# Altium PCB RockerBox_Rev04.PcbDoc (part 1 of 9)
Units mil, origin at the board's own origin, x right, y up, seen from the top; angles counter-clockwise.
Board outline 5354.33 x 8818.9 mil, 4 copper layers (L1, L2, L3, L4), stack 62.087 mil thick; 582 components, 159 nets, 3630 pads, 4701 vias.
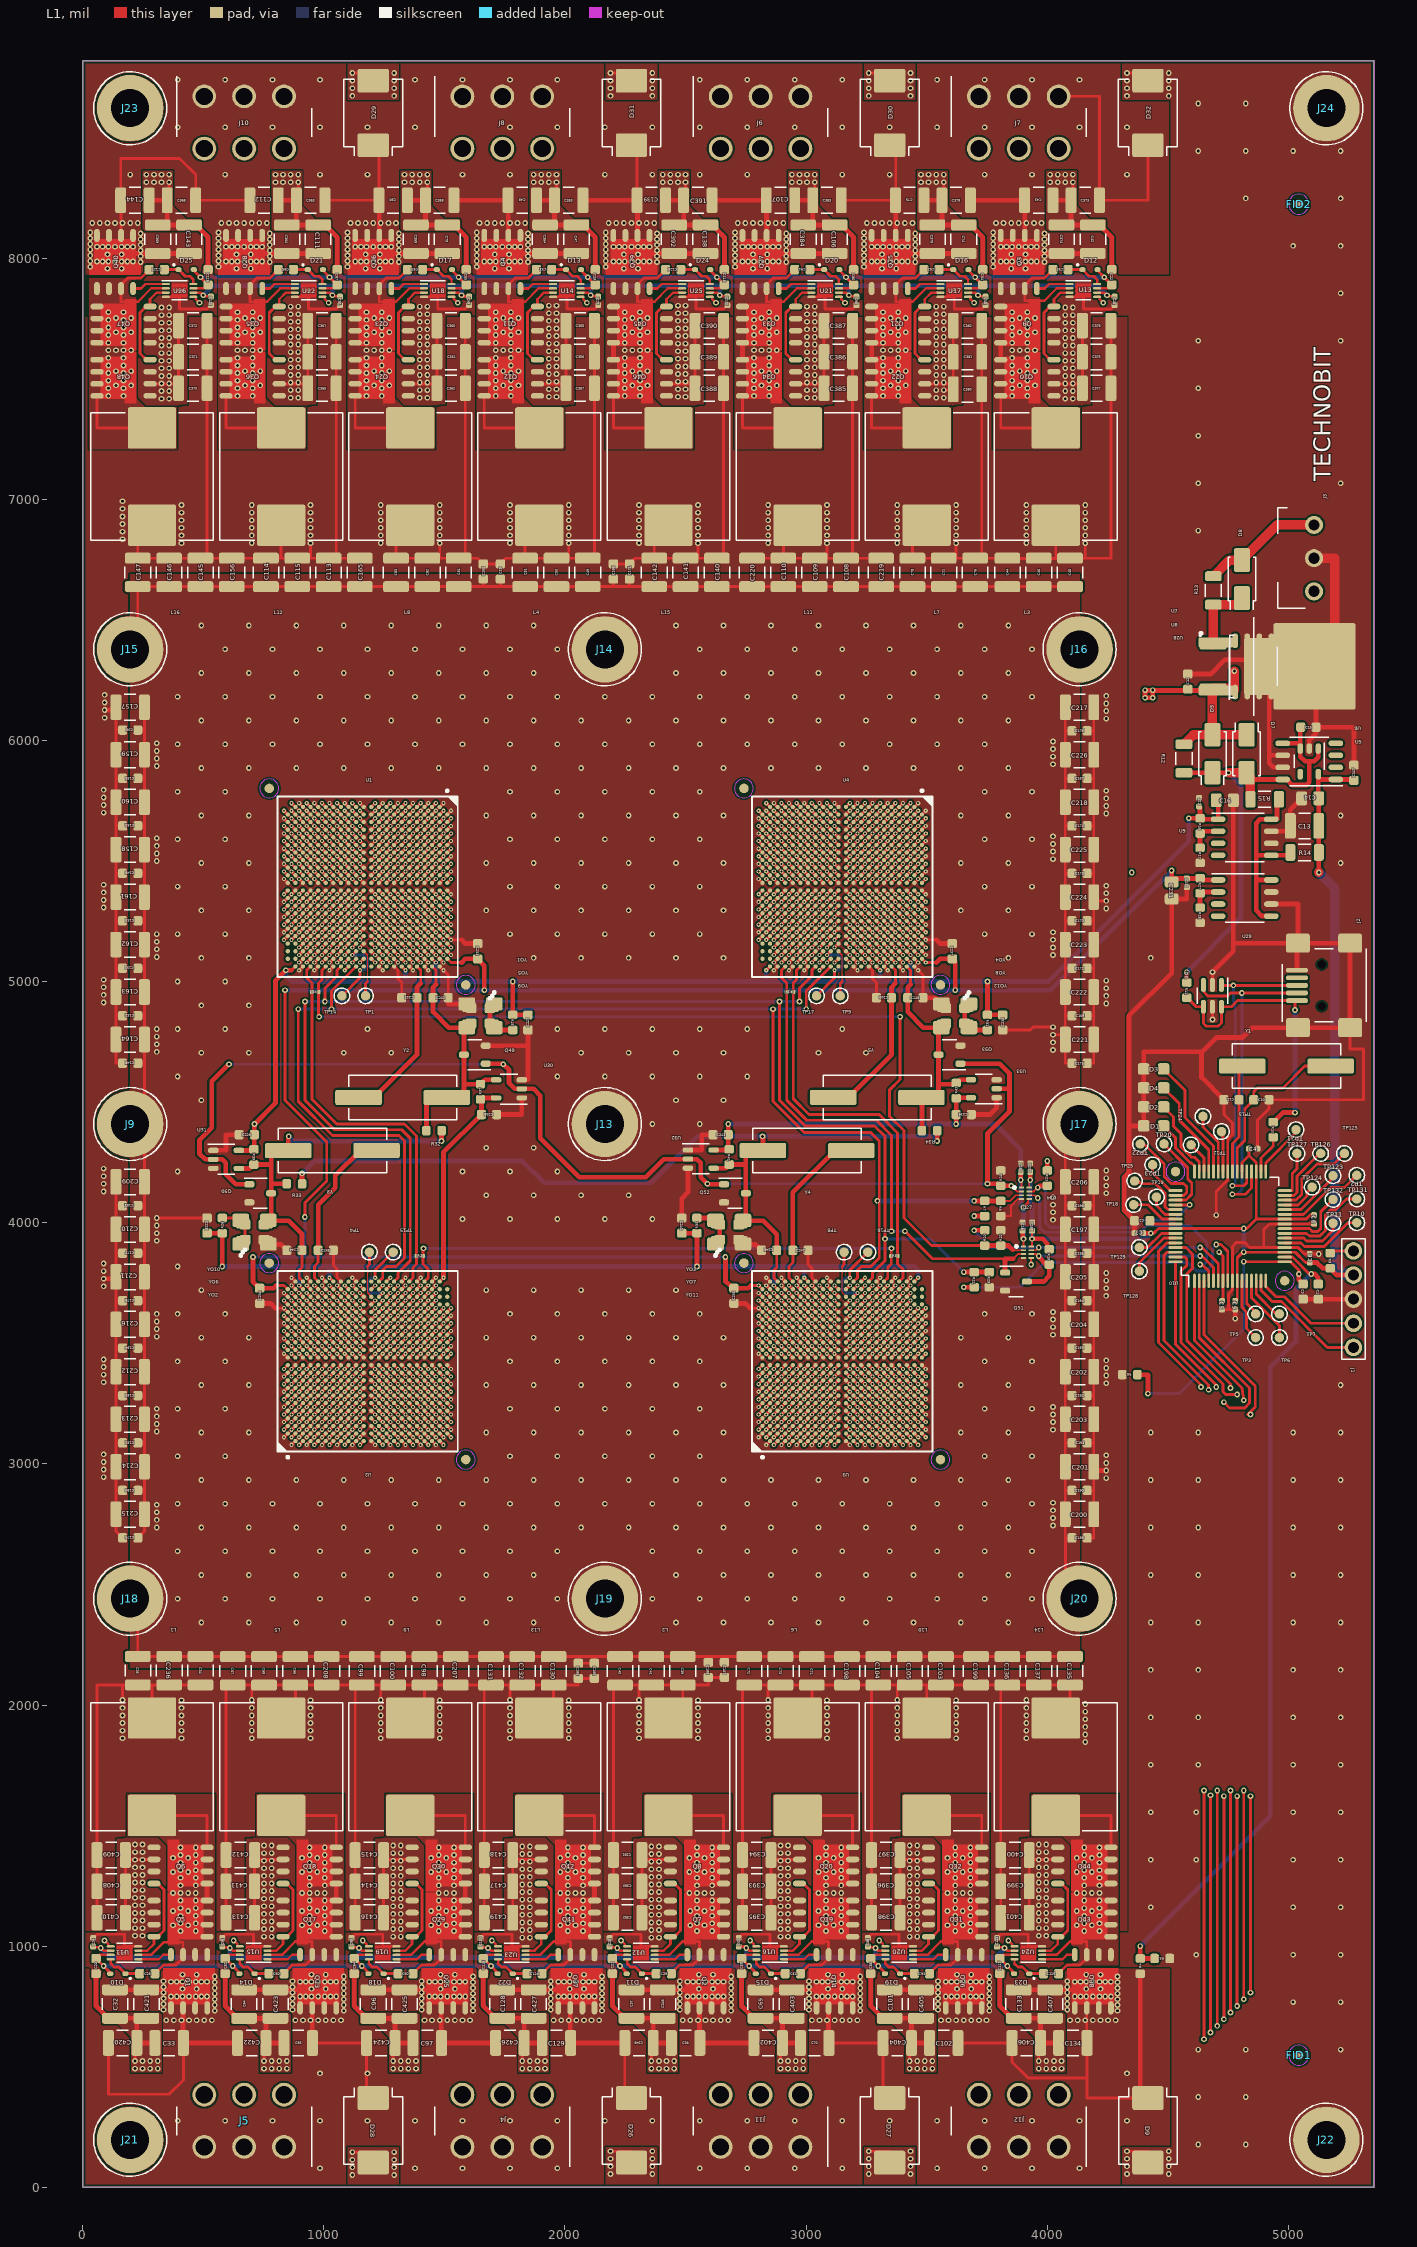
[diagram p0: L1 view]
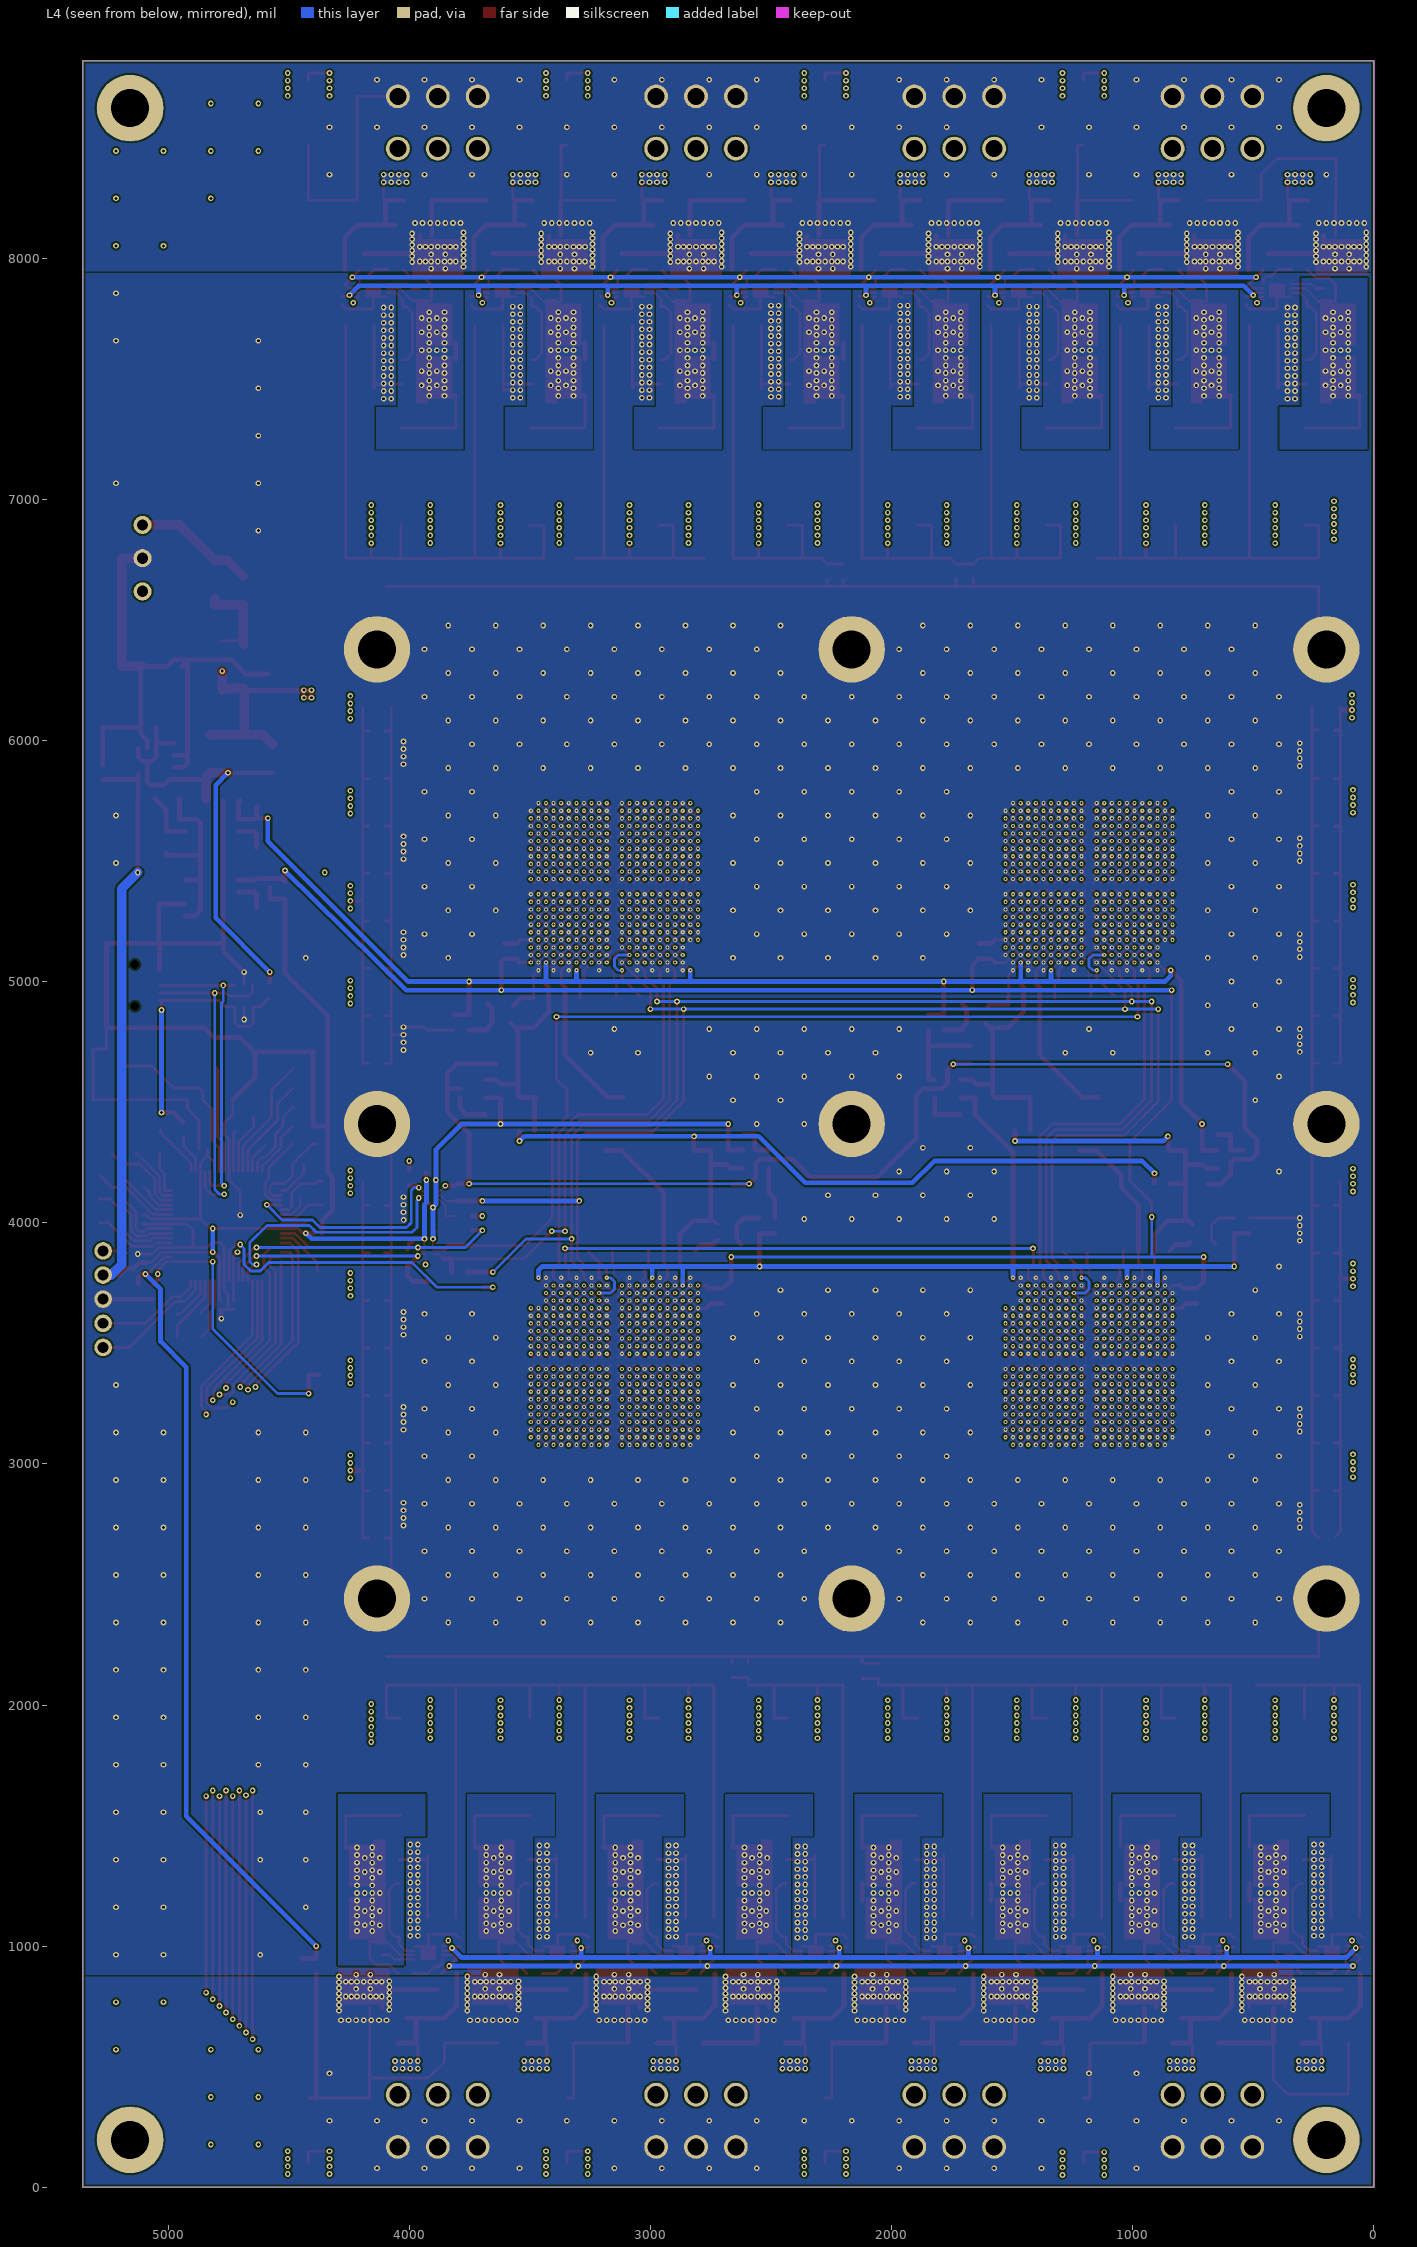
[diagram p1: L4 view, seen from below]
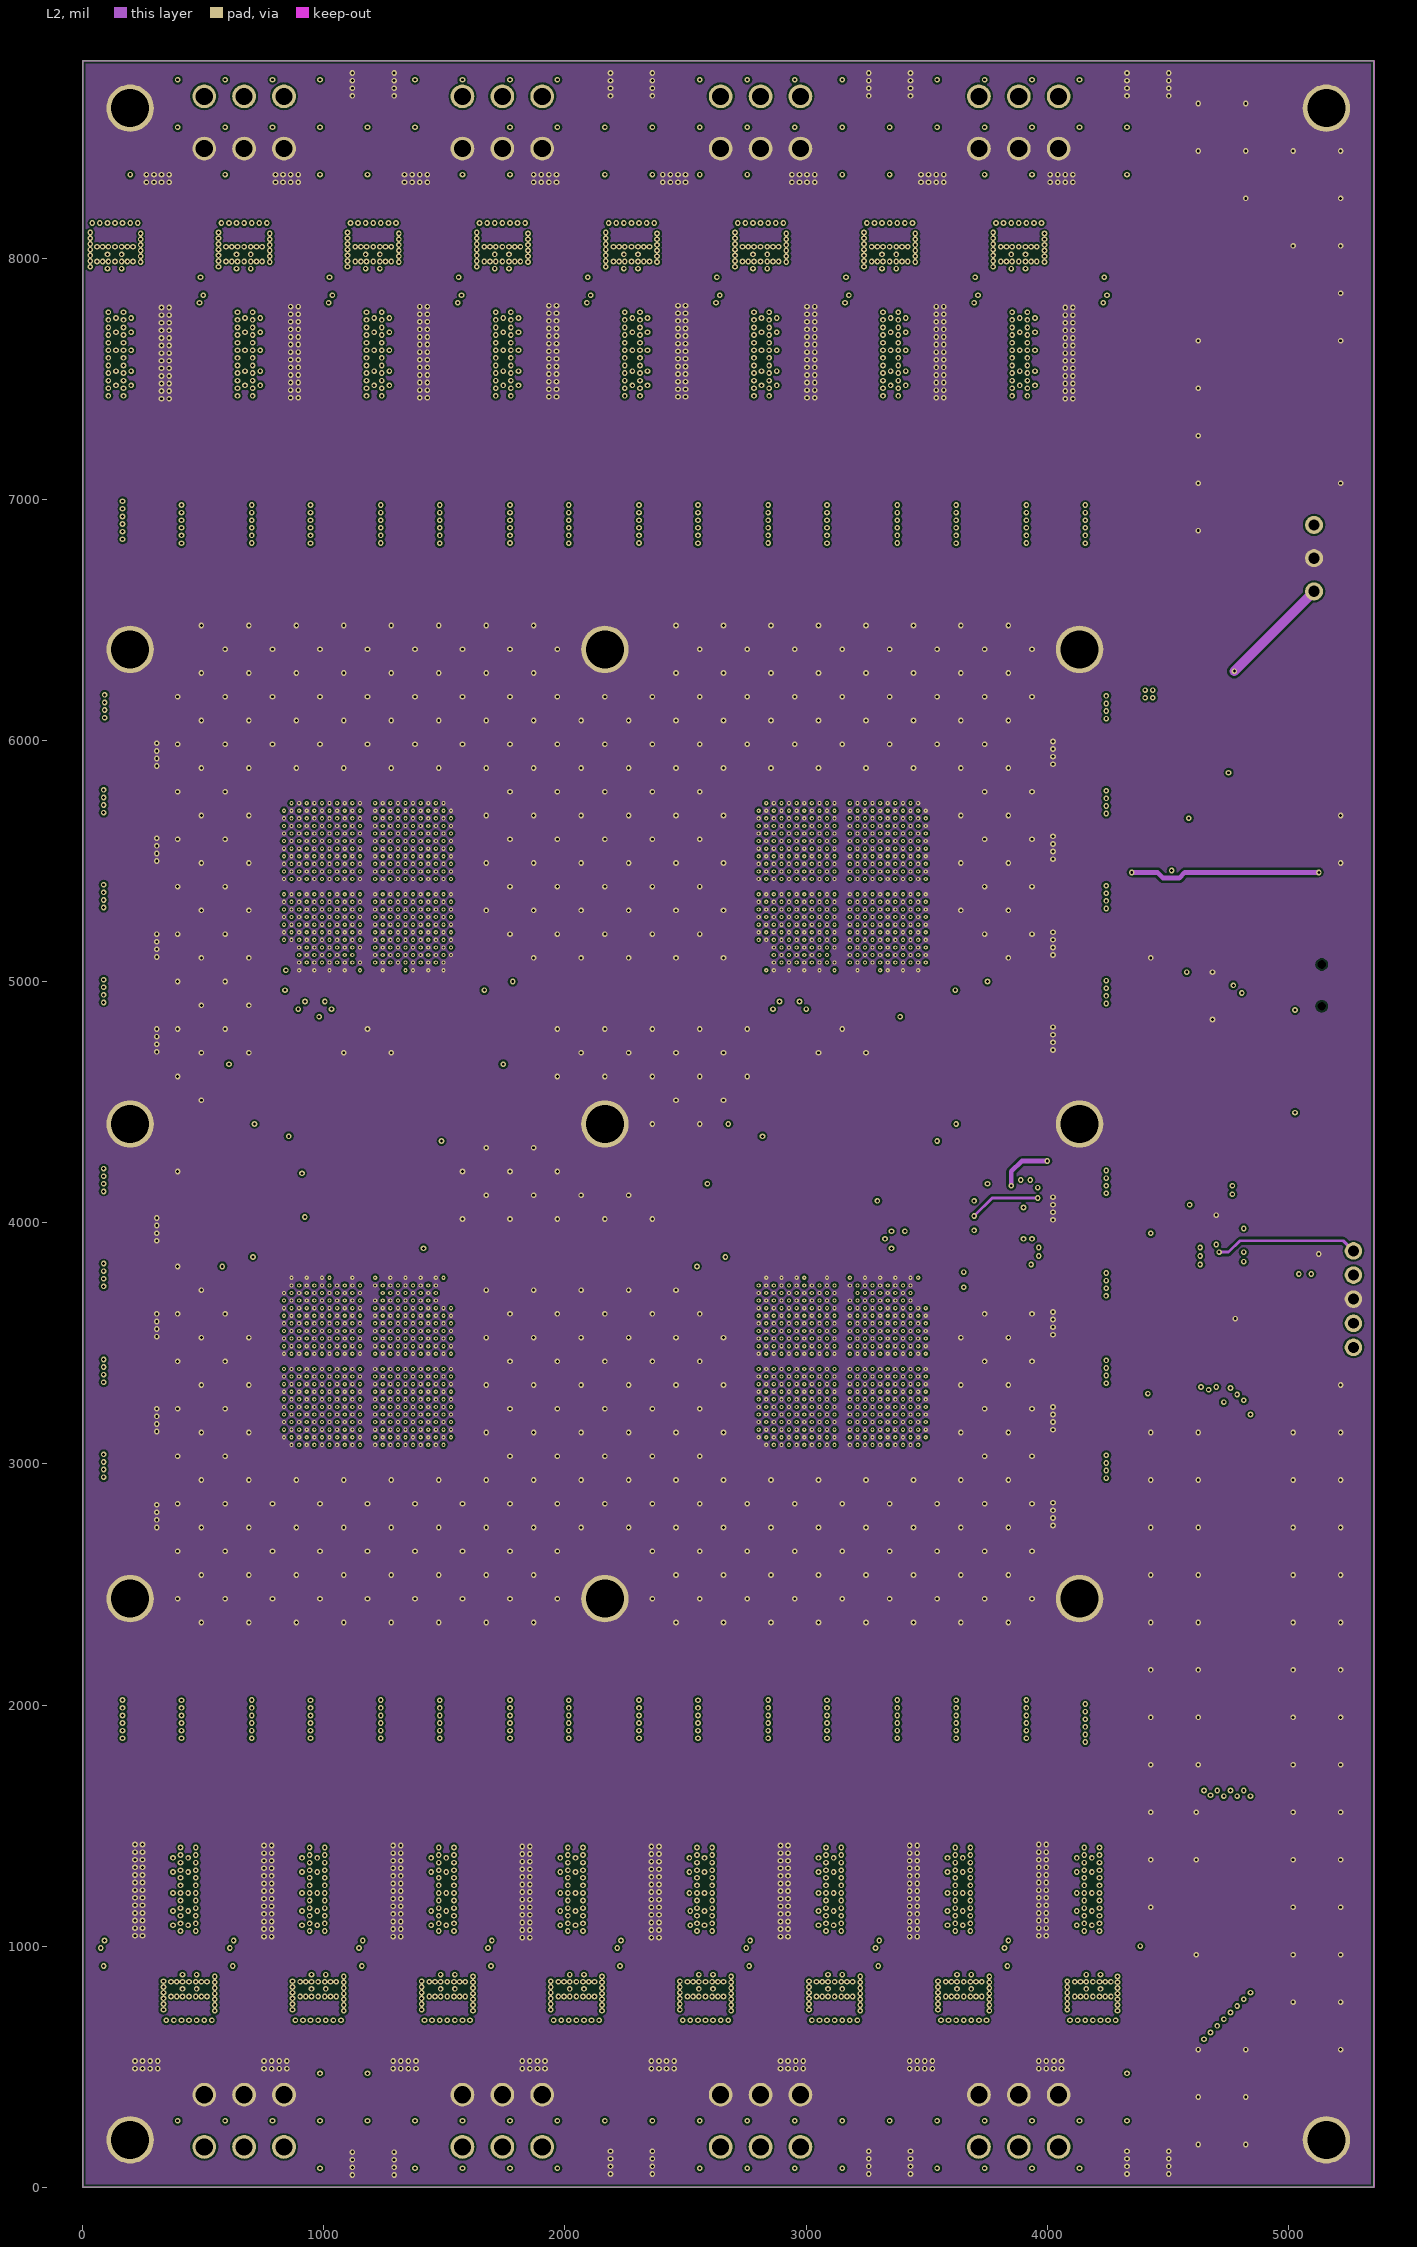
[diagram p2: L2]
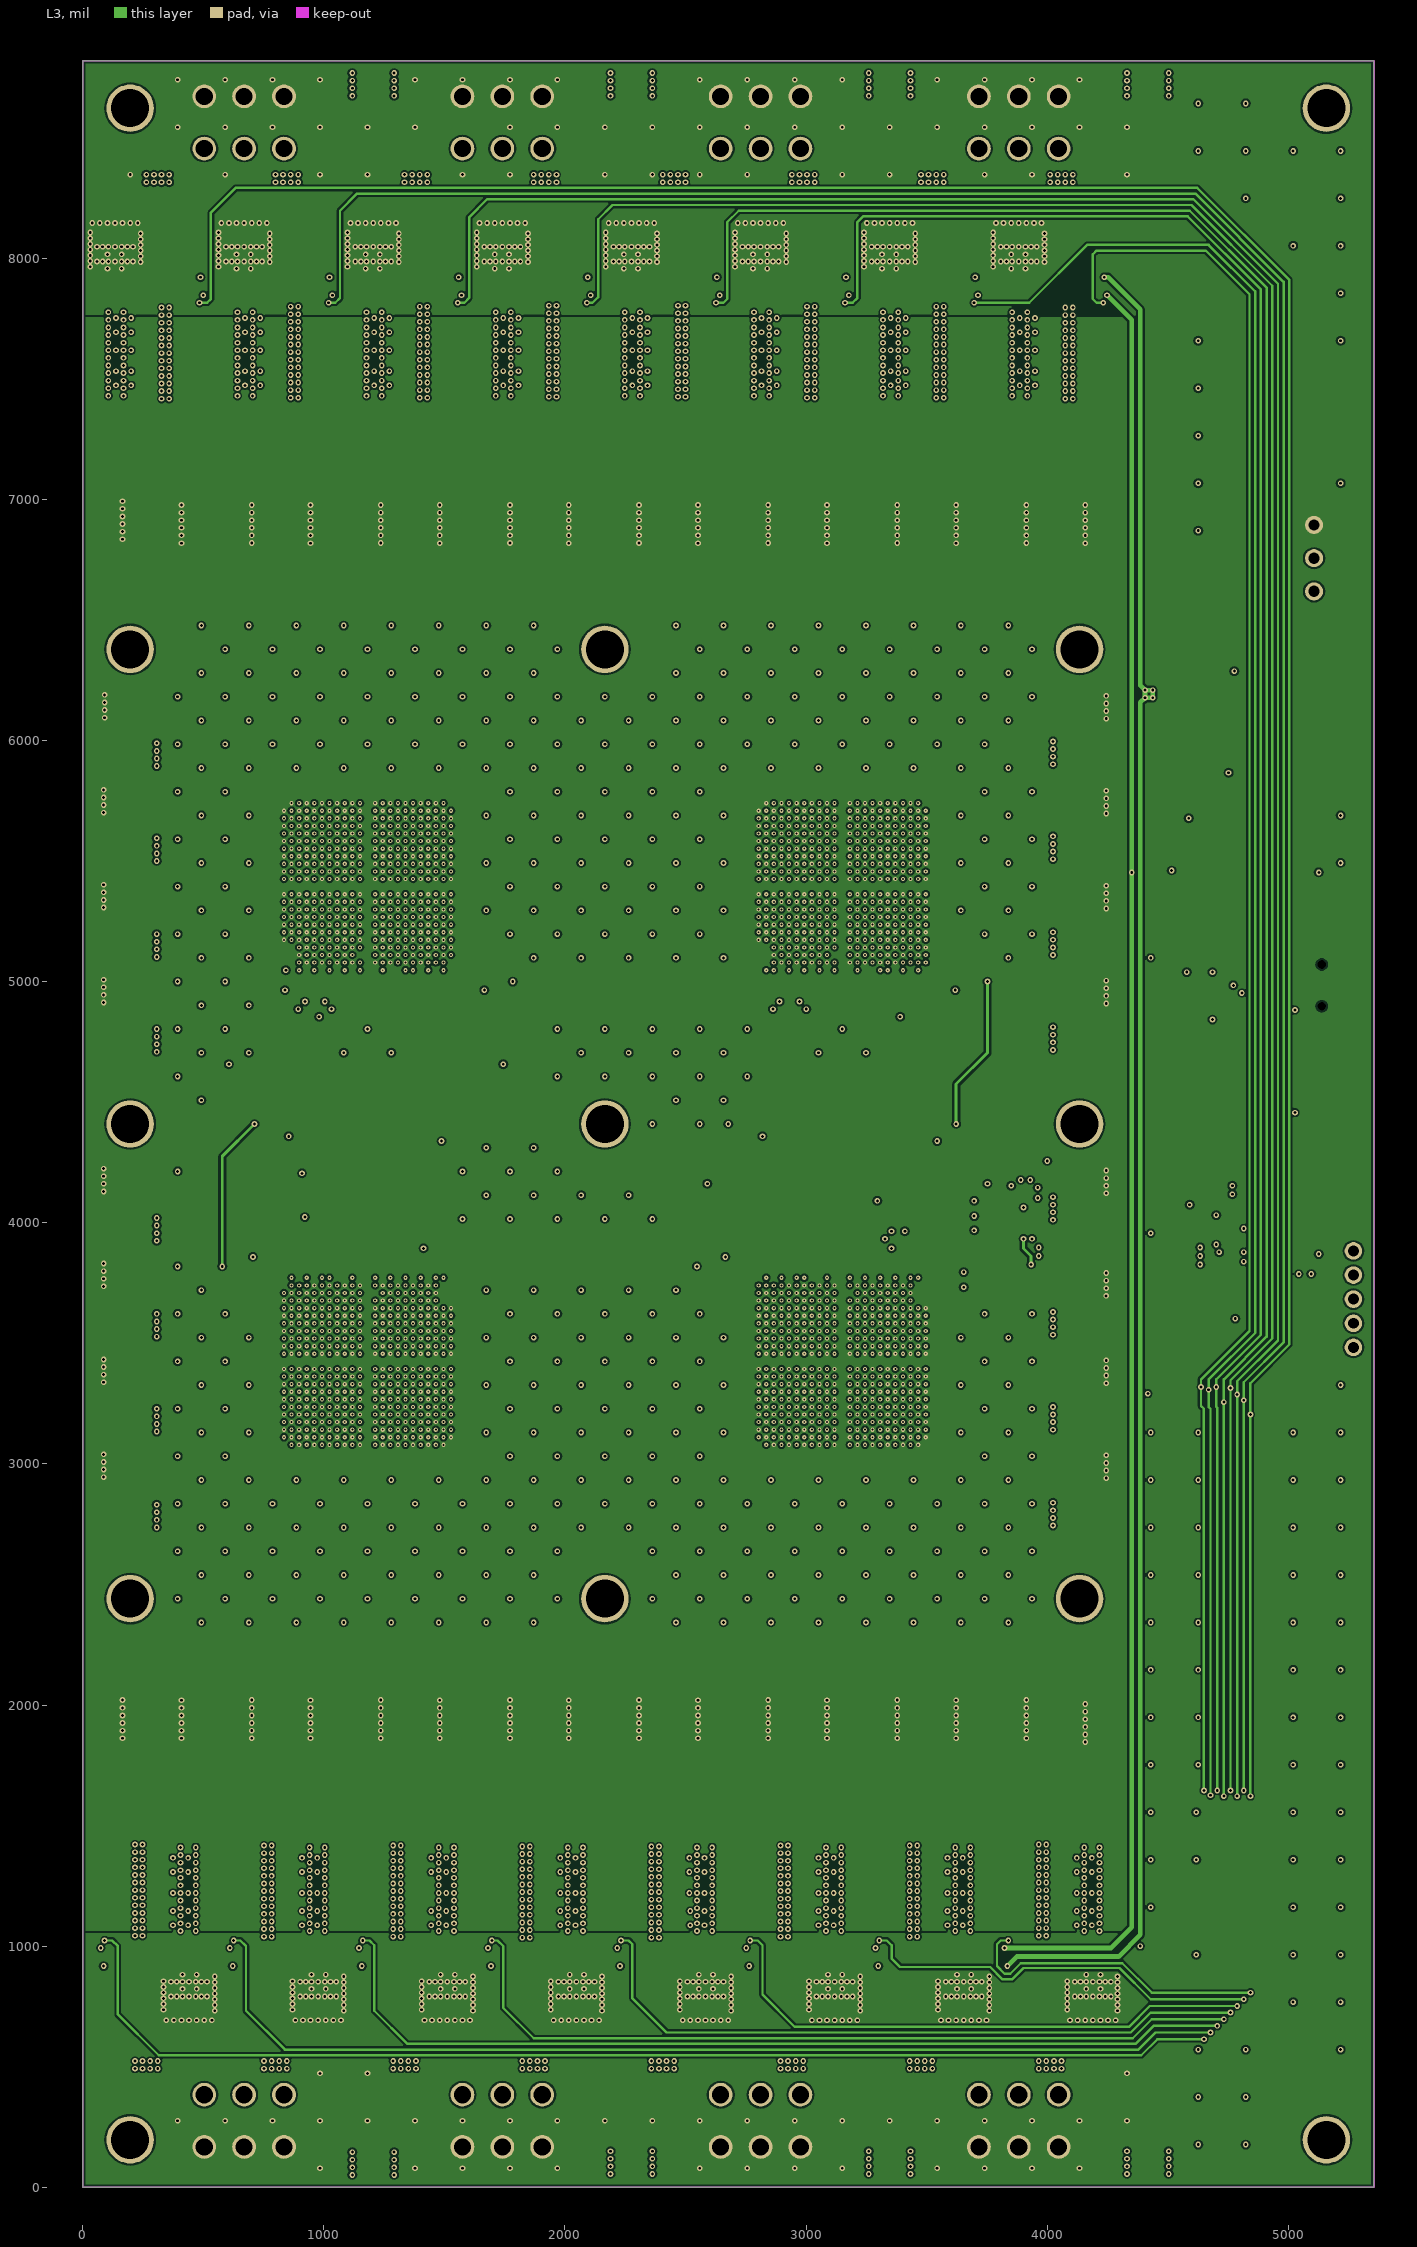
[diagram p3: L3]
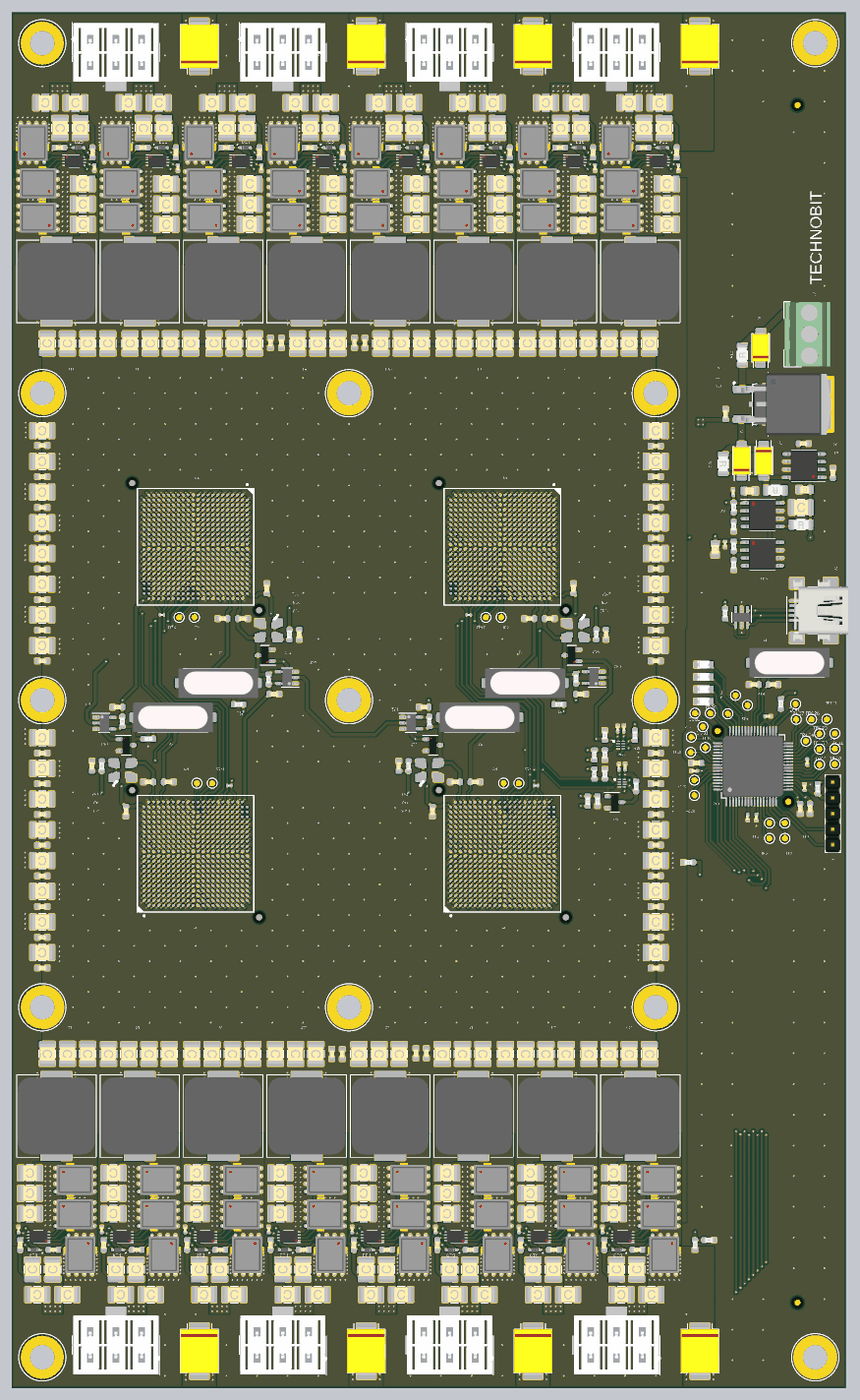
[diagram p12: 3D render of the assembled board from above, using the file's embedded part models]

## Layer stack, top to bottom
21_Solder Mask Top: solder mask 0.4, Solder Resist, Dk 3.5
L1: signal copper 1.3189
Dielectric1: dielectric 7.0866, FR-4, Dk 4.75
L2: signal copper 1.378
Dielectric2: dielectric 42.5197, FR-4, Dk 4.75
L3: signal copper 1.378
Dielectric3: dielectric 7.0866, FR-4, Dk 4.75
L4: signal copper 1.3189
28_Solder Mask Bottom: solder mask 0.4, Solder Resist, Dk 3.5

## Board outline
0,8818.9 5354.33,8818.9 5354.33,0 0,0

## Design rules (kind name [scope] priority, off if disabled: settings)
Clearance "'All on Layer' PADS rule_62" [OnLayer('L2') vs OnLayer('L2')] p1: gap=9.84
Clearance "'All on Layer' PADS rule_61" [OnLayer('L2') And InPolygon vs OnLayer('L2') And InPolygon] p2: gap=11.81
Clearance "'All on Layer' PADS rule_60" [OnLayer('L2') vs OnLayer('L2')] p3: gap=9.84
Clearance "'All on Layer' PADS rule_59" [OnLayer('L2') And IsSMTPin vs OnLayer('L2') And IsSMTPin] p4: gap=5.91
Clearance "'All on Layer' PADS rule_58" [OnLayer('L2') And IsThruPin vs OnLayer('L2') And IsSMTPin] p5: gap=9.84
Clearance "'All on Layer' PADS rule_57" [OnLayer('L2') And IsSMTPin vs OnLayer('L2') And IsThruPin] p6: gap=5.91
Clearance "'All on Layer' PADS rule_56" [OnLayer('L2') And IsVia vs OnLayer('L2') And IsSMTPin] p7: gap=9.84
Clearance "'All on Layer' PADS rule_55" [OnLayer('L2') And IsSMTPin vs OnLayer('L2') And IsVia] p8: gap=5.91
Clearance "'All on Layer' PADS rule_54" [OnLayer('L2') And (IsTrack Or IsArc) vs OnLayer('L2') And IsSMTPin] p9: gap=9.84
Clearance "'All on Layer' PADS rule_53" [OnLayer('L2') And IsSMTPin vs OnLayer('L2') And (IsTrack Or IsArc)] p10: gap=5.91
Clearance "'All on Layer' PADS rule_52" [OnLayer('L2') vs OnLayer('L2') And (IsTrack Or IsArc Or IsThruPin Or IsSMTPin Or IsVia Or IsFill Or InPolygon)] p11: gap=9.84
Clearance "'All on Layer' PADS rule_49" [OnLayer('L2') And IsVia vs OnLayer('L2') And IsVia] p12: gap=3.94
Clearance "'All on Layer' PADS rule_47" [OnLayer('L3') vs OnLayer('L3')] p13: gap=9.84
Clearance "'All on Layer' PADS rule_46" [OnLayer('L3') And InPolygon vs OnLayer('L3') And InPolygon] p14: gap=11.81
Clearance "'All on Layer' PADS rule_45" [OnLayer('L3') vs OnLayer('L3')] p15: gap=9.84
Clearance "'All on Layer' PADS rule_44" [OnLayer('L3') And IsSMTPin vs OnLayer('L3') And IsSMTPin] p16: gap=5.91
Clearance "'All on Layer' PADS rule_43" [OnLayer('L3') And IsThruPin vs OnLayer('L3') And IsSMTPin] p17: gap=9.84
Clearance "'All on Layer' PADS rule_42" [OnLayer('L3') And IsSMTPin vs OnLayer('L3') And IsThruPin] p18: gap=5.91
Clearance "'All on Layer' PADS rule_41" [OnLayer('L3') And IsVia vs OnLayer('L3') And IsSMTPin] p19: gap=9.84
Clearance "'All on Layer' PADS rule_40" [OnLayer('L3') And IsSMTPin vs OnLayer('L3') And IsVia] p20: gap=5.91
Clearance "'All on Layer' PADS rule_39" [OnLayer('L3') And (IsTrack Or IsArc) vs OnLayer('L3') And IsSMTPin] p21: gap=9.84
Clearance "'All on Layer' PADS rule_38" [OnLayer('L3') And IsSMTPin vs OnLayer('L3') And (IsTrack Or IsArc)] p22: gap=5.91
Clearance "'All on Layer' PADS rule_37" [OnLayer('L3') vs OnLayer('L3') And (IsTrack Or IsArc Or IsThruPin Or IsSMTPin Or IsVia Or IsFill Or InPolygon)] p23: gap=9.84
Clearance "'All on Layer' PADS rule_34" [OnLayer('L3') And IsVia vs OnLayer('L3') And IsVia] p24: gap=3.94
Clearance "'Default' PADS rule_33" [All] p25: gap=7.87
Clearance "'Default' PADS rule_32" [InPolygon vs InPolygon] p26: gap=11.81
Clearance "'Default' PADS rule_31" [All] p27: gap=7.87
Clearance "'Default' PADS rule_30" [IsSMTPin vs IsSMTPin] p28: gap=5.91
Clearance "'Default' PADS rule_29" [IsThruPin vs IsSMTPin] p29: gap=7.87
Clearance "'Default' PADS rule_28" [IsSMTPin vs IsThruPin] p30: gap=5.91
Clearance "'Default' PADS rule_27" [IsVia vs IsSMTPin] p31: gap=7.87
Clearance "'Default' PADS rule_26" [IsSMTPin vs IsVia] p32: gap=4.33
Clearance "'Default' PADS rule_25" [(IsTrack Or IsArc) vs IsSMTPin] p33: gap=7.87
Clearance "'Default' PADS rule_24" [IsSMTPin vs (IsTrack Or IsArc)] p34: gap=4.33
Clearance "'Default' PADS rule_23" [All] p35: gap=7.87
Clearance "'Default' PADS rule_22" [IsVia vs IsVia] p36: gap=4.33
Clearance "'Default' PADS rule_21" [(IsTrack Or IsArc) vs IsVia] p37: gap=7.87
Clearance "'Default' PADS rule_20" [IsVia vs (IsTrack Or IsArc)] p38: gap=4.33
Clearance "'Default' PADS rule_19" [All] p39: gap=7.87
Clearance "'Default' PADS rule_16" [IsVia vs IsVia] p40: gap=3.94
ComponentClearance "'Default' PADS rule_13" [All] p1: gap=0 collisioncheckmode=3 verticalgap=10 showdistances=FALSE
FlightTimeFalling "'Default' PADS rule_11" [All] p1: maximum=10.00
FlightTimeRising "'Default' PADS rule_10" [All] p1: maximum=10.00
Length "'Default' PADS rule_5" [All] p1: maxlimit=50000 minlimit=0
MatchedLengths "'Default' PADS rule_12" [InNetClass('All Nets')] p1: tolerance=200 checknetsindiffpair=TRUE checkdiffpairvsdiffpair=TRUE checkothers=TRUE
MaxMinImpedance "'Default' PADS rule_9" [All] p1: minimum=50.00 maximum=150.0
ParallelSegment "'Default' PADS rule_8" [All] p1: limit=1000 gap=200
ParallelSegment "'Default' PADS rule_7" [All] p2: limit=1000 gap=200
PlaneClearance "Power Plane Clearance for J6-6" [(Name='J6-6') Or (Name='J7-1') Or (Name='J7-2') Or (Name='J7-3') Or (Name='J7-4') Or (Name='J7-5') Or (Name='J7-6') Or (Name='J8-1') Or (Name='J8-2') Or (Name='J8-3') Or (Name='J8-4') Or (Name='J8-5') Or (Name='J8-6') Or (Name='J9-1')] p1: clearance=19.68 // PAD - Power Plane Clearance
PlaneClearance "Power Plane Clearance for J2-10" [(Name='J2-10') Or (Name='J2-11')] p2: clearance=15.75 // PAD - Power Plane Clearance
PlaneClearance "Power Plane Clearance for J1-1" [(Name='J1-1') Or (Name='J1-2') Or (Name='J1-3') Or (Name='J1-4') Or (Name='J1-5') Or (Name='J10-1') Or (Name='J10-2') Or (Name='J10-3') Or (Name='J10-4') Or (Name='J10-5') Or (Name='J10-6') Or (Name='J11-1') Or (Name='J11-2') Or (Name='J11-3') Or (Name='J11-4') Or (Name='J11-5') Or (Name='J11-6') Or (Name='J12-1') Or (Name='J12-2') Or (Name='J12-3') Or (Name='J12-4') Or (Name='J12-5') Or (Name='J12-6') Or (Name='J13-1') Or (Name='J14-1') Or (Name='J15-1') Or (Name='J16-1') Or (Name='J17-1') Or (Name='J18-1') Or (Name='J19-1') Or (Name='J20-1') Or (Name='J21-1') Or (Name='J22-1') Or (Name='J23-1') Or (Name='J24-1') Or (Name='J3-1') Or (Name='J3-2') Or (Name='J3-3') Or (Name='J4-1') Or (Name='J4-2') Or (Name='J4-3') Or (Name='J4-4') Or (Name='J4-5') Or (Name='J4-6') Or (Name='J5-1') Or (Name='J5-2') Or (Name='J5-3') Or (Name='J5-4') Or (Name='J5-5') Or (Name='J5-6') Or (Name='J6-1') Or (Name='J6-2') Or (Name='J6-3') Or (Name='J6-4') Or (Name='J6-5')] p3: clearance=19.68 // PAD - Power Plane Clearance
PlaneClearance "'Default' PADS rule_15" [All] p4: clearance=11.81
PlaneConnect "Power Plane Connect Style for VIA45H20" [IsVia And (ViaDiameter=17.716) And (HoleSize=7.874)] p1: planeconnectstyle=Relief reliefexpansion=4.92 reliefentries=2 reliefconductorwidth=3.94 reliefairgap=10
PlaneConnect "Power Plane Connect Style for J9-1" [(Name='J9-1')] p2: planeconnectstyle=Relief reliefexpansion=11.81 reliefentries=4 reliefconductorwidth=27.56 reliefairgap=10
PlaneConnect "Power Plane Connect Style for J8-6" [(Name='J8-6')] p3: planeconnectstyle=Relief reliefexpansion=13.78 reliefentries=4 reliefconductorwidth=14.96 reliefairgap=10
PlaneConnect "Power Plane Connect Style for J8-5" [(Name='J8-5')] p4: planeconnectstyle=Relief reliefexpansion=13.78 reliefentries=4 reliefconductorwidth=14.96 reliefairgap=10
PlaneConnect "Power Plane Connect Style for J8-4" [(Name='J8-4')] p5: planeconnectstyle=Relief reliefexpansion=13.78 reliefentries=4 reliefconductorwidth=14.96 reliefairgap=10
PlaneConnect "Power Plane Connect Style for J8-3" [(Name='J8-3')] p6: planeconnectstyle=Relief reliefexpansion=13.78 reliefentries=4 reliefconductorwidth=14.96 reliefairgap=10
PlaneConnect "Power Plane Connect Style for J8-2" [(Name='J8-2')] p7: planeconnectstyle=Relief reliefexpansion=13.78 reliefentries=4 reliefconductorwidth=14.96 reliefairgap=10
PlaneConnect "Power Plane Connect Style for J8-1" [(Name='J8-1')] p8: planeconnectstyle=Relief reliefexpansion=13.78 reliefentries=4 reliefconductorwidth=14.96 reliefairgap=10
PlaneConnect "Power Plane Connect Style for J7-6" [(Name='J7-6')] p9: planeconnectstyle=Relief reliefexpansion=13.78 reliefentries=4 reliefconductorwidth=14.96 reliefairgap=10
PlaneConnect "Power Plane Connect Style for J7-5" [(Name='J7-5')] p10: planeconnectstyle=Relief reliefexpansion=13.78 reliefentries=4 reliefconductorwidth=14.96 reliefairgap=10